# KiCad board kara70-pcb.kicad_pcb
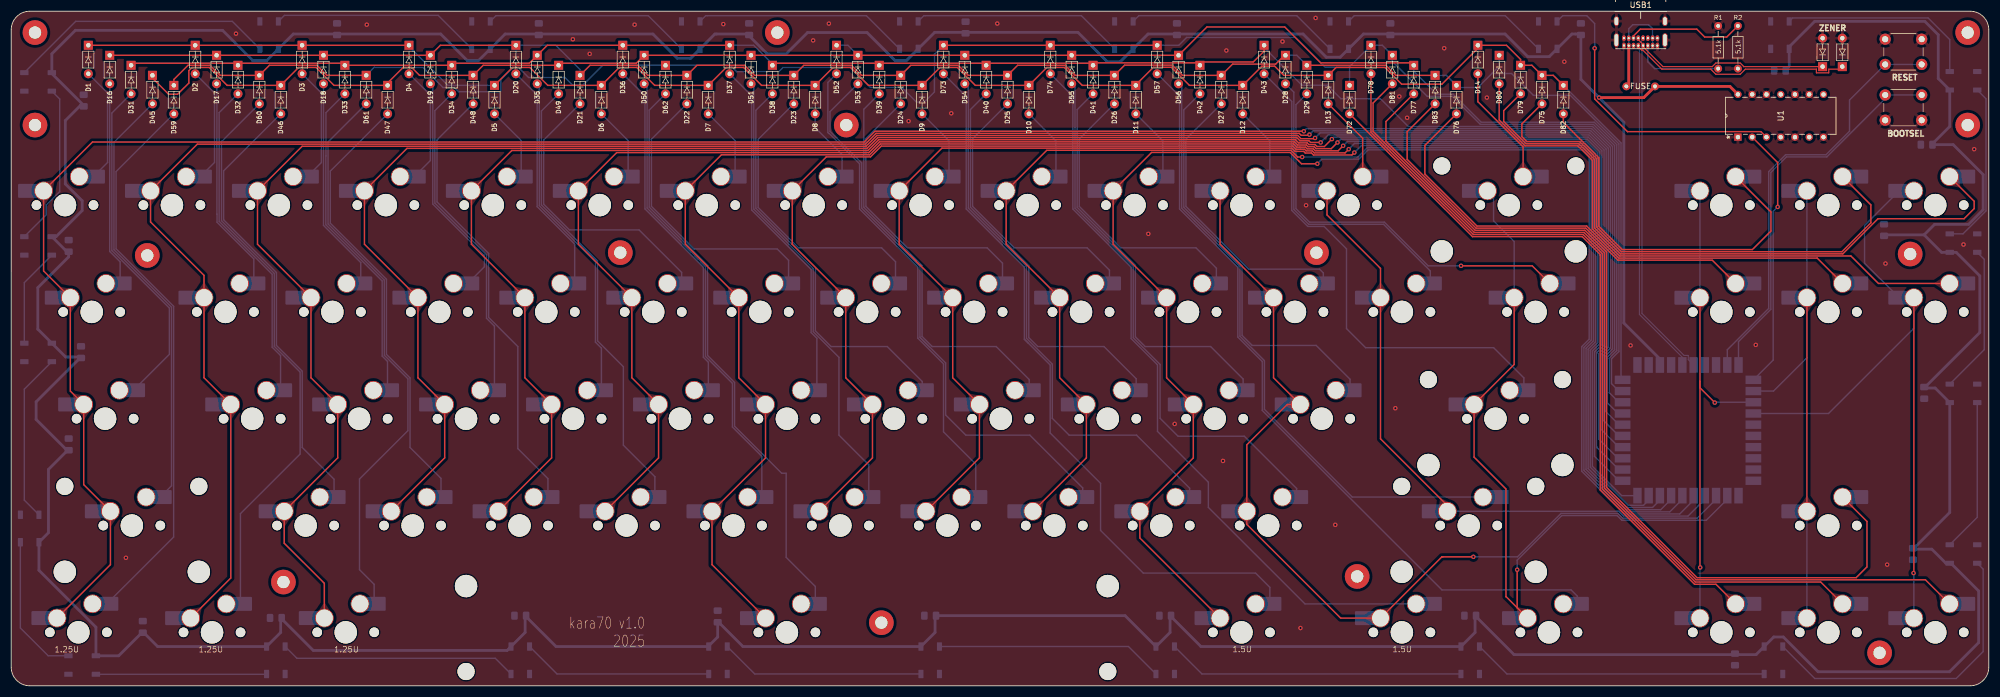
[diagram p0: board, top side]
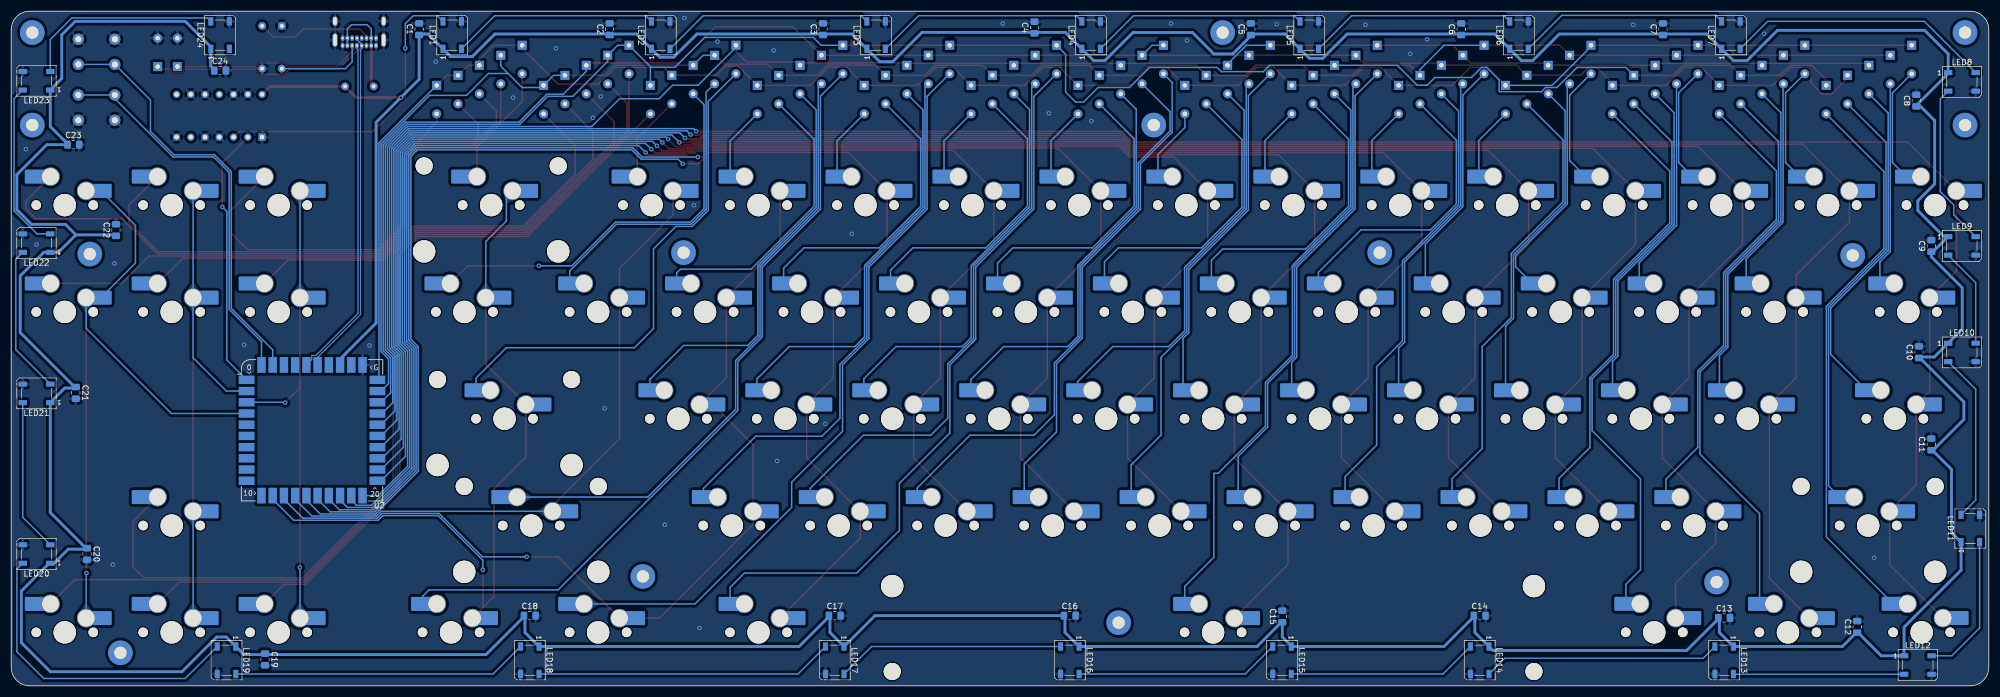
[diagram p1: board, bottom side, seen from below]

Outline 352.23 x 120.31 mm; copper layers: Top, Bottom. Coordinates in mm from the lower left corner of the outline.
Outline path: 0,3.3 0,117 arc(0.97,119.34) 3.31,120.31 348.93,120.31 arc(351.27,119.33) 352.23,116.98 352.23,3.31 arc(351.27,0.97) 348.93,0 3.31,0 arc(0.97,0.97) 0,3.3
Stack: Top 0.035mm / dielectric 1.51mm FR4 er 4.5 / Bottom 0.035mm

## Placement (name value [footprint] x y rotation side)
C1  100nF 0805  [C_0805_2012Metric_Pad1.18x1.45mm_HandSolder]  279.58 117.1 90 bottom
C2  100nF 0805  [C_0805_2012Metric_Pad1.18x1.45mm_HandSolder]  245.65 117.1 90 bottom
C3  100nF 0805  [C_0805_2012Metric_Pad1.18x1.45mm_HandSolder]  207.63 117.1 90 bottom
C4  100nF 0805  [C_0805_2012Metric_Pad1.18x1.45mm_HandSolder]  169.98 117.4 90 bottom
C5  100nF 0805  [C_0805_2012Metric_Pad1.18x1.45mm_HandSolder]  131.43 117.1 90 bottom
C6  100nF 0805  [C_0805_2012Metric_Pad1.18x1.45mm_HandSolder]  93.97 117.1 90 bottom
C7  100nF 0805  [C_0805_2012Metric_Pad1.18x1.45mm_HandSolder]  58.03 117.1 90 bottom
C8  100nF 0805  [C_0805_2012Metric_Pad1.18x1.45mm_HandSolder]  12.91 104.37 90 bottom
C9  100nF 0805  [C_0805_2012Metric_Pad1.18x1.45mm_HandSolder]  10.23 78.45 90 bottom
C10  100nF 0805  [C_0805_2012Metric_Pad1.18x1.45mm_HandSolder]  12.43 59.5 90 bottom
C11  100nF 0805  [C_0805_2012Metric_Pad1.18x1.45mm_HandSolder]  10.23 43.05 90 bottom
C12  100nF 0805  [C_0805_2012Metric_Pad1.18x1.45mm_HandSolder]  23.43 10.5 90 bottom
C13  100nF 0805  [C_0805_2012Metric_Pad1.18x1.45mm_HandSolder]  47.13 12.1 180 bottom
C14  100nF 0805  [C_0805_2012Metric_Pad1.18x1.45mm_HandSolder]  90.67 12.5 180 bottom
C15  100nF 0805  [C_0805_2012Metric_Pad1.18x1.45mm_HandSolder]  125.83 12.36 90 bottom
C16  100nF 0805  [C_0805_2012Metric_Pad1.18x1.45mm_HandSolder]  163.68 12.5 180 bottom
C17  100nF 0805  [C_0805_2012Metric_Pad1.18x1.45mm_HandSolder]  205.55 12.5 180 bottom
C18  100nF 0805  [C_0805_2012Metric_Pad1.18x1.45mm_HandSolder]  259.87 12.5 180 bottom
C19  100nF 0805  [C_0805_2012Metric_Pad1.18x1.45mm_HandSolder]  307.03 4.7 270 bottom
C20  100nF 0805  [C_0805_2012Metric_Pad1.18x1.45mm_HandSolder]  338.73 23.5 270 bottom
C21  100nF 0805  [C_0805_2012Metric_Pad1.18x1.45mm_HandSolder]  340.73 52.24 270 bottom
C22  100nF 0805  [C_0805_2012Metric_Pad1.18x1.45mm_HandSolder]  333.58 81.28 90 bottom
C23  100nF 0805  [C_0805_2012Metric_Pad1.18x1.45mm_HandSolder]  341.17 96.5 180 bottom
C24  100nF 0805  [C_0805_2012Metric_Pad1.18x1.45mm_HandSolder]  315.03 109.7 180 bottom
D1  ~  [D_DO-35_SOD27_P5.08mm_Horizontal]  13.73 115.5 270 top
D2  ~  [D_DO-35_SOD27_P5.08mm_Horizontal]  32.77 115.5 270 top
D3  ~  [D_DO-35_SOD27_P5.08mm_Horizontal]  51.81 115.5 270 top
D4  ~  [D_DO-35_SOD27_P5.08mm_Horizontal]  70.85 115.5 270 top
D5  ~  [D_DO-35_SOD27_P5.08mm_Horizontal]  86.08 108.35 270 top
D6  ~  [D_DO-35_SOD27_P5.08mm_Horizontal]  105.12 108.35 270 top
D7  ~  [D_DO-35_SOD27_P5.08mm_Horizontal]  124.15 108.35 270 top
D8  ~  [D_DO-35_SOD27_P5.08mm_Horizontal]  143.19 108.35 270 top
D9  ~  [D_DO-35_SOD27_P5.08mm_Horizontal]  162.23 108.35 270 top
D10  ~  [D_DO-35_SOD27_P5.08mm_Horizontal]  181.27 108.35 270 top
D11  ~  [D_DO-35_SOD27_P5.08mm_Horizontal]  200.31 108.35 270 top
D12  ~  [D_DO-35_SOD27_P5.08mm_Horizontal]  219.34 108.35 270 top
D13  ~  [D_DO-35_SOD27_P5.08mm_Horizontal]  234.57 110.14 270 top
D14  ~  [D_DO-35_SOD27_P5.08mm_Horizontal]  261.23 115.5 270 top
D16  ~  [D_DO-35_SOD27_P5.08mm_Horizontal]  17.54 113.71 270 top
D17  ~  [D_DO-35_SOD27_P5.08mm_Horizontal]  36.58 113.71 270 top
D18  ~  [D_DO-35_SOD27_P5.08mm_Horizontal]  55.62 113.71 270 top
D19  ~  [D_DO-35_SOD27_P5.08mm_Horizontal]  74.66 113.71 270 top
D20  ~  [D_DO-35_SOD27_P5.08mm_Horizontal]  89.89 115.5 270 top
D21  ~  [D_DO-35_SOD27_P5.08mm_Horizontal]  101.31 110.14 270 top
D22  ~  [D_DO-35_SOD27_P5.08mm_Horizontal]  120.35 110.14 270 top
D23  ~  [D_DO-35_SOD27_P5.08mm_Horizontal]  139.38 110.14 270 top
D24  ~  [D_DO-35_SOD27_P5.08mm_Horizontal]  158.42 110.14 270 top
D25  ~  [D_DO-35_SOD27_P5.08mm_Horizontal]  177.46 110.14 270 top
D26  ~  [D_DO-35_SOD27_P5.08mm_Horizontal]  196.5 110.14 270 top
D27  ~  [D_DO-35_SOD27_P5.08mm_Horizontal]  215.54 110.14 270 top
D28  ~  [D_DO-35_SOD27_P5.08mm_Horizontal]  226.96 113.71 270 top
D29  ~  [D_DO-35_SOD27_P5.08mm_Horizontal]  230.77 111.93 270 top
D31  ~  [D_DO-35_SOD27_P5.08mm_Horizontal]  21.35 111.93 270 top
D32  ~  [D_DO-35_SOD27_P5.08mm_Horizontal]  40.39 111.93 270 top
D33  ~  [D_DO-35_SOD27_P5.08mm_Horizontal]  59.42 111.93 270 top
D34  ~  [D_DO-35_SOD27_P5.08mm_Horizontal]  78.46 111.93 270 top
D35  ~  [D_DO-35_SOD27_P5.08mm_Horizontal]  93.69 113.71 270 top
D36  ~  [D_DO-35_SOD27_P5.08mm_Horizontal]  108.92 115.5 270 top
D37  ~  [D_DO-35_SOD27_P5.08mm_Horizontal]  127.96 115.5 270 top
D38  ~  [D_DO-35_SOD27_P5.08mm_Horizontal]  135.58 111.93 270 top
D39  ~  [D_DO-35_SOD27_P5.08mm_Horizontal]  154.62 111.93 270 top
D40  ~  [D_DO-35_SOD27_P5.08mm_Horizontal]  173.65 111.93 270 top
D41  ~  [D_DO-35_SOD27_P5.08mm_Horizontal]  192.69 111.93 270 top
D42  ~  [D_DO-35_SOD27_P5.08mm_Horizontal]  211.73 111.93 270 top
D43  ~  [D_DO-35_SOD27_P5.08mm_Horizontal]  223.15 115.5 270 top
D45  ~  [D_DO-35_SOD27_P5.08mm_Horizontal]  25.16 110.14 270 top
D46  ~  [D_DO-35_SOD27_P5.08mm_Horizontal]  48 108.35 270 top
D47  ~  [D_DO-35_SOD27_P5.08mm_Horizontal]  67.04 108.35 270 top
D48  ~  [D_DO-35_SOD27_P5.08mm_Horizontal]  82.27 110.14 270 top
D49  ~  [D_DO-35_SOD27_P5.08mm_Horizontal]  97.5 111.93 270 top
D50  ~  [D_DO-35_SOD27_P5.08mm_Horizontal]  112.73 113.71 270 top
D51  ~  [D_DO-35_SOD27_P5.08mm_Horizontal]  131.77 113.71 270 top
D52  ~  [D_DO-35_SOD27_P5.08mm_Horizontal]  147 115.5 270 top
D53  ~  [D_DO-35_SOD27_P5.08mm_Horizontal]  150.81 113.71 270 top
D54  ~  [D_DO-35_SOD27_P5.08mm_Horizontal]  169.85 113.71 270 top
D55  ~  [D_DO-35_SOD27_P5.08mm_Horizontal]  188.88 113.71 270 top
D56  ~  [D_DO-35_SOD27_P5.08mm_Horizontal]  207.92 113.71 270 top
D57  ~  [D_DO-35_SOD27_P5.08mm_Horizontal]  204.11 115.5 270 top
D59  ~  [D_DO-35_SOD27_P5.08mm_Horizontal]  28.96 108.35 270 top
D60  ~  [D_DO-35_SOD27_P5.08mm_Horizontal]  44.19 110.14 270 top
D61  ~  [D_DO-35_SOD27_P5.08mm_Horizontal]  63.23 110.14 270 top
D62  ~  [D_DO-35_SOD27_P5.08mm_Horizontal]  116.54 111.93 270 top
D69  3.6V  [D_DO-35_SOD27_P5.08mm_Horizontal]  326.15 109.15 90 top
D70  3.6V  [D_DO-35_SOD27_P5.08mm_Horizontal]  322.63 109.15 90 top
D72  ~  [D_DO-35_SOD27_P5.08mm_Horizontal]  238.38 108.35 270 top
D73  ~  [D_DO-35_SOD27_P5.08mm_Horizontal]  166.04 115.5 270 top
D74  ~  [D_DO-35_SOD27_P5.08mm_Horizontal]  185.08 115.5 270 top
D75  ~  [D_DO-35_SOD27_P5.08mm_Horizontal]  272.65 110.14 270 top
D76  ~  [D_DO-35_SOD27_P5.08mm_Horizontal]  257.42 108.35 270 top
D77  ~  [D_DO-35_SOD27_P5.08mm_Horizontal]  249.81 111.93 270 top
D78  ~  [D_DO-35_SOD27_P5.08mm_Horizontal]  242.19 115.5 270 top
D79  ~  [D_DO-35_SOD27_P5.08mm_Horizontal]  268.84 111.93 270 top
D80  ~  [D_DO-35_SOD27_P5.08mm_Horizontal]  265.04 113.71 270 top
D81  ~  [D_DO-35_SOD27_P5.08mm_Horizontal]  246 113.71 270 top
D82  ~  [D_DO-35_SOD27_P5.08mm_Horizontal]  276.46 108.35 270 top
D83  ~  [D_DO-35_SOD27_P5.08mm_Horizontal]  253.61 110.14 270 top
F1  500mA  [polyfuse_5.1mm]  290.23 106.9 180 top
LED1  WS2812B  [LED_WS2812B_PLCC4_5.0x5.0mm_P3.2mm]  273.68 116.04 90 bottom
LED2  WS2812B  [LED_WS2812B_PLCC4_5.0x5.0mm_P3.2mm]  236.55 116.04 90 bottom
LED3  WS2812B  [LED_WS2812B_PLCC4_5.0x5.0mm_P3.2mm]  198.18 116.04 90 bottom
LED4  WS2812B  [LED_WS2812B_PLCC4_5.0x5.0mm_P3.2mm]  159.88 116.04 90 bottom
LED5  WS2812B  [LED_WS2812B_PLCC4_5.0x5.0mm_P3.2mm]  121.03 116.04 90 bottom
LED6  WS2812B  [LED_WS2812B_PLCC4_5.0x5.0mm_P3.2mm]  83.67 116.04 90 bottom
LED7  WS2812B  [LED_WS2812B_PLCC4_5.0x5.0mm_P3.2mm]  45.93 116.04 90 bottom
LED8  WS2812B  [LED_WS2812B_PLCC4_5.0x5.0mm_P3.2mm]  4.78 107.7 180 bottom
LED9  WS2812B  [LED_WS2812B_PLCC4_5.0x5.0mm_P3.2mm]  4.78 78.45 180 bottom
LED10  WS2812B  [LED_WS2812B_PLCC4_5.0x5.0mm_P3.2mm]  4.78 59.45 180 bottom
LED11  WS2812B  [LED_WS2812B_PLCC4_5.0x5.0mm_P3.2mm]  3.28 28.05 90 bottom
LED12  WS2812B  [LED_WS2812B_PLCC4_5.0x5.0mm_P3.2mm]  12.63 3.7 180 bottom
LED13  WS2812B  [LED_WS2812B_PLCC4_5.0x5.0mm_P3.2mm]  47.13 4.55 270 bottom
LED14  WS2812B  [LED_WS2812B_PLCC4_5.0x5.0mm_P3.2mm]  90.67 4.55 270 bottom
LED15  WS2812B  [LED_WS2812B_PLCC4_5.0x5.0mm_P3.2mm]  125.88 4.55 270 bottom
LED16  WS2812B  [LED_WS2812B_PLCC4_5.0x5.0mm_P3.2mm]  163.68 4.55 270 bottom
LED17  WS2812B  [LED_WS2812B_PLCC4_5.0x5.0mm_P3.2mm]  205.55 4.55 270 bottom
LED18  WS2812B  [LED_WS2812B_PLCC4_5.0x5.0mm_P3.2mm]  259.87 4.55 270 bottom
LED19  WS2812B  [LED_WS2812B_PLCC4_5.0x5.0mm_P3.2mm]  313.88 4.55 270 bottom
LED20  WS2812B  [LED_WS2812B_PLCC4_5.0x5.0mm_P3.2mm]  347.73 23.5 0 bottom
LED21  WS2812B  [LED_WS2812B_PLCC4_5.0x5.0mm_P3.2mm]  347.73 52.15 0 bottom
LED22  WS2812B  [LED_WS2812B_PLCC4_5.0x5.0mm_P3.2mm]  347.73 78.95 0 bottom
LED23  WS2812B  [LED_WS2812B_PLCC4_5.0x5.0mm_P3.2mm]  347.73 107.9 0 bottom
LED24  WS2812B  [LED_WS2812B_PLCC4_5.0x5.0mm_P3.2mm]  315.03 116.04 90 bottom
NOREF  -  [unnamed]  352.48 115.75 0 top
NOREF#2  -  [unnamed#2]  239.98 76.25 0 top
NOREF#3  -  [unnamed#3]  11.73 116.5 0 top
NOREF#4  -  [unnamed]  352.48 99.25 0 top
NOREF#5  -  [unnamed#4]  177.73 99 0 top
NOREF#6  -  [unnamed#3]  247.23 19.5 0 top
NOREF#7  -  [unnamed#3]  55.98 18.5 0 top
NOREF#8  -  [unnamed#2]  345.73 76 0 top
NOREF#9  -  [unnamed#2]  115.98 76.25 0 top
NOREF#10  -  [unnamed#3]  162.48 11.25 0 top
NOREF#11  -  [unnamed#2]  31.73 75.75 0 top
NOREF#12  -  [unnamed#3]  340.29 5.88 0 top
R1  5.1k  [R_Axial_DIN0204_L3.6mm_D1.6mm_P7.62mm_Horizontal]  304.03 117.69 270 top
R2  5.1k  [R_Axial_DIN0204_L3.6mm_D1.6mm_P7.62mm_Horizontal]  307.55 117.69 270 top
REF**  -  [MountingHole_2.2mm_M2_Pad]  136.46 116.5 0 top
REF**#2  -  [MountingHole_2.2mm_M2_Pad]  4.23 100 0 top
SW1  KEYSW  [MX-Hotswap-1U]  9.57 85.73 180 bottom
SW2  KEYSW  [MX-Hotswap-1U]  28.62 85.73 180 bottom
SW3  KEYSW  [MX-Hotswap-1U]  47.67 85.73 180 bottom
SW4  KEYSW  [MX-Hotswap-1U]  66.72 85.73 180 bottom
SW5  KEYSW  [MX-Hotswap-1U]  85.77 85.73 180 bottom
SW6  KEYSW  [MX-Hotswap-1U]  104.82 85.73 180 bottom
SW7  KEYSW  [MX-Hotswap-1U]  123.87 85.73 180 bottom
SW8  KEYSW  [MX-Hotswap-1U]  142.92 85.73 180 bottom
SW9  KEYSW  [MX-Hotswap-1U]  161.97 85.73 180 bottom
SW10  KEYSW  [MX-Hotswap-1U]  181.02 85.73 180 bottom
SW11  KEYSW  [MX-Hotswap-1U]  200.07 85.73 180 bottom
SW12  KEYSW  [MX-Hotswap-1U]  219.12 85.73 180 bottom
SW13  KEYSW  [MX-Hotswap-1U]  238.17 85.73 180 bottom
SW14  KEYSW  [MX-Hotswap-2U]  266.75 85.73 180 bottom
SW16  KEYSW  [MX-Hotswap-1.5U]  14.34 66.68 180 bottom
SW17  KEYSW  [MX-Hotswap-1U]  38.15 66.68 180 bottom
SW18  KEYSW  [MX-Hotswap-1U]  57.2 66.68 180 bottom
SW19  KEYSW  [MX-Hotswap-1U]  76.25 66.68 180 bottom
SW20  KEYSW  [MX-Hotswap-1U]  95.3 66.68 180 bottom
SW21  KEYSW  [MX-Hotswap-1U]  114.35 66.68 180 bottom
SW22  KEYSW  [MX-Hotswap-1U]  133.4 66.68 180 bottom
SW23  KEYSW  [MX-Hotswap-1U]  152.45 66.68 180 bottom
SW24  KEYSW  [MX-Hotswap-1U]  171.5 66.68 180 bottom
SW25  KEYSW  [MX-Hotswap-1U]  190.55 66.68 180 bottom
SW26  KEYSW  [MX-Hotswap-1U]  209.6 66.68 180 bottom
SW27  KEYSW  [MX-Hotswap-1U]  228.65 66.68 180 bottom
SW28  KEYSW  [MX-Hotswap-1U]  247.7 66.68 180 bottom
SW29  KEYSW  [MX-Hotswap-1.5U]  271.51 66.68 180 bottom
SW31  KEYSW  [MX-Hotswap-1.75U]  16.72 47.64 180 bottom
SW32  KEYSW  [MX-Hotswap-1U]  42.91 47.63 180 bottom
SW33  KEYSW  [MX-Hotswap-1U]  61.96 47.63 180 bottom
SW34  KEYSW  [MX-Hotswap-1U]  81.01 47.63 180 bottom
SW35  KEYSW  [MX-Hotswap-1U]  100.06 47.63 180 bottom
SW36  KEYSW  [MX-Hotswap-1U]  119.11 47.63 180 bottom
SW37  KEYSW  [MX-Hotswap-1U]  138.16 47.63 180 bottom
SW38  KEYSW  [MX-Hotswap-1U]  157.21 47.63 180 bottom
SW39  KEYSW  [MX-Hotswap-1U]  176.26 47.63 180 bottom
SW40  KEYSW  [MX-Hotswap-1U]  195.31 47.63 180 bottom
SW41  KEYSW  [MX-Hotswap-1U]  214.36 47.63 180 bottom
SW42  KEYSW  [MX-Hotswap-1U]  233.41 47.63 180 bottom
SW43  KEYSW  [MX-Hotswap-2.25U]  264.37 47.63 180 bottom
SW45  KEYSW  [MX-Hotswap-2.25U]  21.48 28.58 180 bottom
SW46  KEYSW  [MX-Hotswap-1U]  52.44 28.58 180 bottom
SW47  KEYSW  [MX-Hotswap-1U]  71.49 28.58 180 bottom
SW48  KEYSW  [MX-Hotswap-1U]  90.54 28.58 180 bottom
SW49  KEYSW  [MX-Hotswap-1U]  109.59 28.58 180 bottom
SW50  KEYSW  [MX-Hotswap-1U]  128.64 28.58 180 bottom
SW51  KEYSW  [MX-Hotswap-1U]  147.69 28.58 180 bottom
SW52  KEYSW  [MX-Hotswap-1U]  166.74 28.58 180 bottom
SW53  KEYSW  [MX-Hotswap-1U]  185.79 28.58 180 bottom
SW54  KEYSW  [MX-Hotswap-1U]  204.84 28.58 180 bottom
SW55  KEYSW  [MX-Hotswap-1U]  223.89 28.58 180 bottom
SW56  KEYSW  [MX-Hotswap-2.75U]  259.61 28.58 180 bottom
SW57  KEYSW  [MX-Hotswap-1.25U]  273.89 9.53 180 bottom
SW59  KEYSW  [MX-Hotswap-1.25U]  11.96 9.54 180 bottom
SW60  KEYSW  [MX-Hotswap-1.25U]  35.77 9.53 180 bottom
SW61  KEYSW  [MX-Hotswap-1.25U]  59.58 9.54 180 bottom
SW62  KEYSW  [MX-Hotswap-7U-ReversedStabilizers]  138.16 9.53 180 bottom
SW72  KEYSW  [MX-Hotswap-1U]  304.6 9.53 180 bottom
SW73  KEYSW  [MX-Hotswap-1.5U]  219.12 9.53 180 bottom
SW74  KEYSW  [MX-Hotswap-1.5U]  247.7 9.53 180 bottom
SW75  KEYSW  [MX-Hotswap-1U]  323.65 85.73 180 bottom
SW76  KEYSW  [MX-Hotswap-1U]  323.65 66.68 180 bottom
SW77  KEYSW  [MX-Hotswap-1U]  323.65 28.58 180 bottom
SW78  KEYSW  [MX-Hotswap-1U]  323.65 9.53 180 bottom
SW79  KEYSW  [MX-Hotswap-1U]  342.7 85.73 180 bottom
SW80  KEYSW  [MX-Hotswap-1U]  342.7 66.68 180 bottom
SW81  KEYSW  [MX-Hotswap-1U]  342.7 9.53 180 bottom
SW82  KEYSW  [MX-Hotswap-1U]  304.6 85.72 180 bottom
SW83  KEYSW  [MX-Hotswap-1U]  304.6 66.67 180 bottom
SW-BOOTSEL1  ~  [SW_PUSH_6mm]  333.78 105.37 0 top
SW-RST1  ~  [SW_PUSH_6mm]  340.28 110.82 180 top
U1  SN74AHCT125N  [N14]  322.79 105.47 90 top
U2  RP2040_Stamp  [RP2xxx_Stamp_SMD]  298.66 45.56 180 bottom
USB1  -  [USB_C_GCT_USB4085]  290.23 120.28 180 top

## Library data of the parts
C1-C24 = -: Description: Unpolarized capacitor, small symbol; ki_fp_filters: C_*
D1-D14 D16-D29 D31-D43 D45-D57 D59-D62 D69 D70 D72-D83 = -: ki_fp_filters: TO-???* *_Diode_* *SingleDiode* D_*
F1 = -: ki_fp_filters: *polyfuse* *PTC*
LED1-LED24 = -: Datasheet: https://cdn-shop.adafruit.com/datasheets/WS2812B.pdf; Description: RGB LED with integrated controller; ki_fp_filters: LED*WS2812*PLCC*5.0x5.0mm*P3.2mm*
R1 R2 = -: ki_fp_filters: R_*
U1 = -: ki_fp_filters: N14
U2 = -: ki_fp_filters: RP2xxx_Stamp*

## Footprints (pads in the part's own frame, mm; a bottom-side part is the same pattern mirrored in y, then rotated)
C_0805_2012Metric_Pad1.18x1.45mm_HandSolder
  rrect 1.175x1.45 smd: 1(-1.038,0) 2(1.038,0)
D_DO-35_SOD27_P5.08mm_Horizontal
  rect 1.6x1.6 hole 0.8: 1(1.27,0)
  oval 1.6x1.6 hole 0.8: 2(6.35,0)
LED_WS2812B_PLCC4_5.0x5.0mm_P3.2mm
  rrect 1.5x0.9 smd: 1(-2.45,1.65) 2(-2.45,-1.65) 3(2.45,-1.65) 4(2.45,1.65)
MountingHole_2.2mm_M2_Pad
  round 4.4 hole 2.2: 1(0,0)
MX-Hotswap-1.5U
  round 1.702 hole 1.702 unplated: (-5.08,0) (5.08,0)
  round 3.988 hole 3.988 unplated: (0,0)
  round 3.3 hole 3: 1(3.81,2.54) 2(-2.54,5.08)
  rrect 3.86x2.5 smd: 1(6.43,2.54)
  rrect 4.117x2.5 smd: 2(-5.059,5.08)
MX-Hotswap-1.25U
  round 1.702 hole 1.702 unplated: (-5.08,0) (5.08,0)
  round 3.988 hole 3.988 unplated: (0,0)
  round 3.3 hole 3: 1(3.81,2.54) 2(-2.54,5.08)
  rrect 3.86x2.5 smd: 1(6.43,2.54)
  rrect 4.117x2.5 smd: 2(-5.059,5.08)
MX-Hotswap-1.75U
  round 1.702 hole 1.702 unplated: (-5.08,0) (5.08,0)
  round 3.988 hole 3.988 unplated: (0,0)
  round 3.3 hole 3: 1(3.81,2.54) 2(-2.54,5.08)
  rrect 4.36x2.5 smd: 1(6.18,2.54)
  rrect 4.117x2.5 smd: 2(-5.059,5.08)
MX-Hotswap-1U
  round 1.702 hole 1.702 unplated: (-5.08,0) (5.08,0)
  round 3.988 hole 3.988 unplated: (0,0)
  round 3.3 hole 3: 1(3.81,2.54) 2(-2.54,5.08)
  rrect 3.86x2.5 smd: 1(6.43,2.54)
  rrect 4.117x2.5 smd: 2(-5.059,5.08)
MX-Hotswap-2.25U
  round 3.988 hole 3.988 unplated: (-11.938,-8.255) (0,0) (11.938,-8.255)
  round 3.048 hole 3.048 unplated: (-11.938,6.985) (11.938,6.985)
  round 1.702 hole 1.702 unplated: (-5.08,0) (5.08,0)
  round 3.3 hole 3: 1(3.81,2.54) 2(-2.54,5.08)
  rrect 4.86x2.5 smd: 1(5.93,2.54)
  rrect 4.117x2.5 smd: 2(-5.059,5.08)
MX-Hotswap-2.75U
  round 3.988 hole 3.988 unplated: (-11.938,-8.255) (0,0) (11.938,-8.255)
  round 3.048 hole 3.048 unplated: (-11.938,6.985) (11.938,6.985)
  round 1.702 hole 1.702 unplated: (-5.08,0) (5.08,0)
  round 3.3 hole 3: 1(3.81,2.54) 2(-2.54,5.08)
  rrect 4.86x2.5 smd: 1(5.93,2.54)
  rrect 4.117x2.5 smd: 2(-5.059,5.08)
MX-Hotswap-2U
  round 3.988 hole 3.988 unplated: (-11.938,-8.255) (0,0) (11.938,-8.255)
  round 3.048 hole 3.048 unplated: (-11.938,6.985) (11.938,6.985)
  round 1.702 hole 1.702 unplated: (-5.08,0) (5.08,0)
  round 3.3 hole 3: 1(3.81,2.54) 2(-2.54,5.08)
  rrect 4.36x2.5 smd: 1(6.18,2.54)
  rrect 4.117x2.5 smd: 2(-5.059,5.08)
MX-Hotswap-7U-ReversedStabilizers
  round 3.048 hole 3.048 unplated: (-57.15,-6.985) (57.15,-6.985)
  round 3.988 hole 3.988 unplated: (-57.15,8.255) (0,0) (57.15,8.255)
  round 1.702 hole 1.702 unplated: (-5.08,0) (5.08,0)
  round 3.3 hole 3: 1(3.81,2.54) 2(-2.54,5.08)
  rrect 3.86x2.5 smd: 1(6.43,2.54)
  rrect 4.117x2.5 smd: 2(-5.059,5.08)
N14
  rect 1.295x1.295 hole 0.787: 1(-7.62,15.24)
  round 1.295 hole 0.787: 2(-7.62,12.7) 3(-7.62,10.16) 4(-7.62,7.62) 5(-7.62,5.08) 6(-7.62,2.54) 7(-7.62,0) 8(0,0) 9(0,2.54) 10(0,5.08) 11(0,7.62) 12(0,10.16) 13(0,12.7) 14(0,15.24)
polyfuse_5.1mm
  round 1.4 hole 0.7: 1(-2.55,0) 2(2.55,0)
R_Axial_DIN0204_L3.6mm_D1.6mm_P7.62mm_Horizontal
  round 1.4 hole 0.7: 1(0,0)
  oval 1.4x1.4 hole 0.7: 2(7.62,0)
RP2xxx_Stamp_SMD
  rect 2.8x1.5 smd: 1(-11.65,9) 2(-11.65,7) 3(-11.65,5) 4(-11.65,3) 5(-11.65,1) 6(-11.65,-1) 7(-11.65,-3) 8(-11.65,-5) 9(-11.65,-7) 10(-11.65,-9) 21(11.65,-9) 22(11.65,-7) 23(11.65,-5) 24(11.65,-3) 25(11.65,-1) 26(11.65,1) 27(11.65,3) 28(11.65,5) 29(11.65,7) 30(11.65,9)
  rect 1.5x2.8 smd: 11(-9,-11.65) 12(-7,-11.65) 13(-5,-11.65) 14(-3,-11.65) 15(-1,-11.65) 16(1,-11.65) 17(3,-11.65) 18(5,-11.65) 19(7,-11.65) 20(9,-11.65) 31(9,11.65) 32(7,11.65) 33(5,11.65) 34(3,11.65) 35(1,11.65) 36(-1,11.65) 37(-3,11.65) 38(-5,11.65) 39(-7,11.65) 40(-9,11.65)
SW_PUSH_6mm
  round 2 hole 1.1: 1(0,0) 1(6.5,0) 2(0,-4.5) 2(6.5,-4.5)
unnamed
  round 4.4 hole 2.2: 1(-4,0.75)
unnamed#2
  round 4.4 hole 2.2: 1(-7.5,1)
unnamed#3
  round 4.4 hole 2.2: 1(-7.5,0)
unnamed#4
  round 4.4 hole 2.2: 1(-29,1)
USB_C_GCT_USB4085
  oval 0.65x1 hole 0.4: A1(-2.975,6.1) A4(-2.125,6.1) A5(-1.275,6.1) A6(-0.425,6.1) A7(0.425,6.1) A8(1.275,6.1) A9(2.125,6.1) A12(2.975,6.1) B1(2.98,4.775) B4(2.13,4.775) B5(1.28,4.775) B6(0.43,4.775) B7(-0.42,4.775) B8(-1.27,4.775) B9(-2.12,4.775) B12(-2.975,4.775)
  oval 0.9x2.4 hole 0.62x2.1: S1(-4.325,5.12) S1(4.325,5.12)
  oval 0.9x1.7 hole 0.62x1.4: S1(-4.325,1.74) S1(4.325,1.74)
